# Altium PCB MdBBCar_Face.PcbDoc
Units mil, origin at the board's own origin, x right, y up, seen from the top; angles counter-clockwise.
Board outline 2202.88 x 1898.45 mil, 4 copper layers (Top Layer, GND, SIG, Bottom Layer), stack 23.756 mil thick; 72 components, 66 nets, 300 pads, 287 vias.
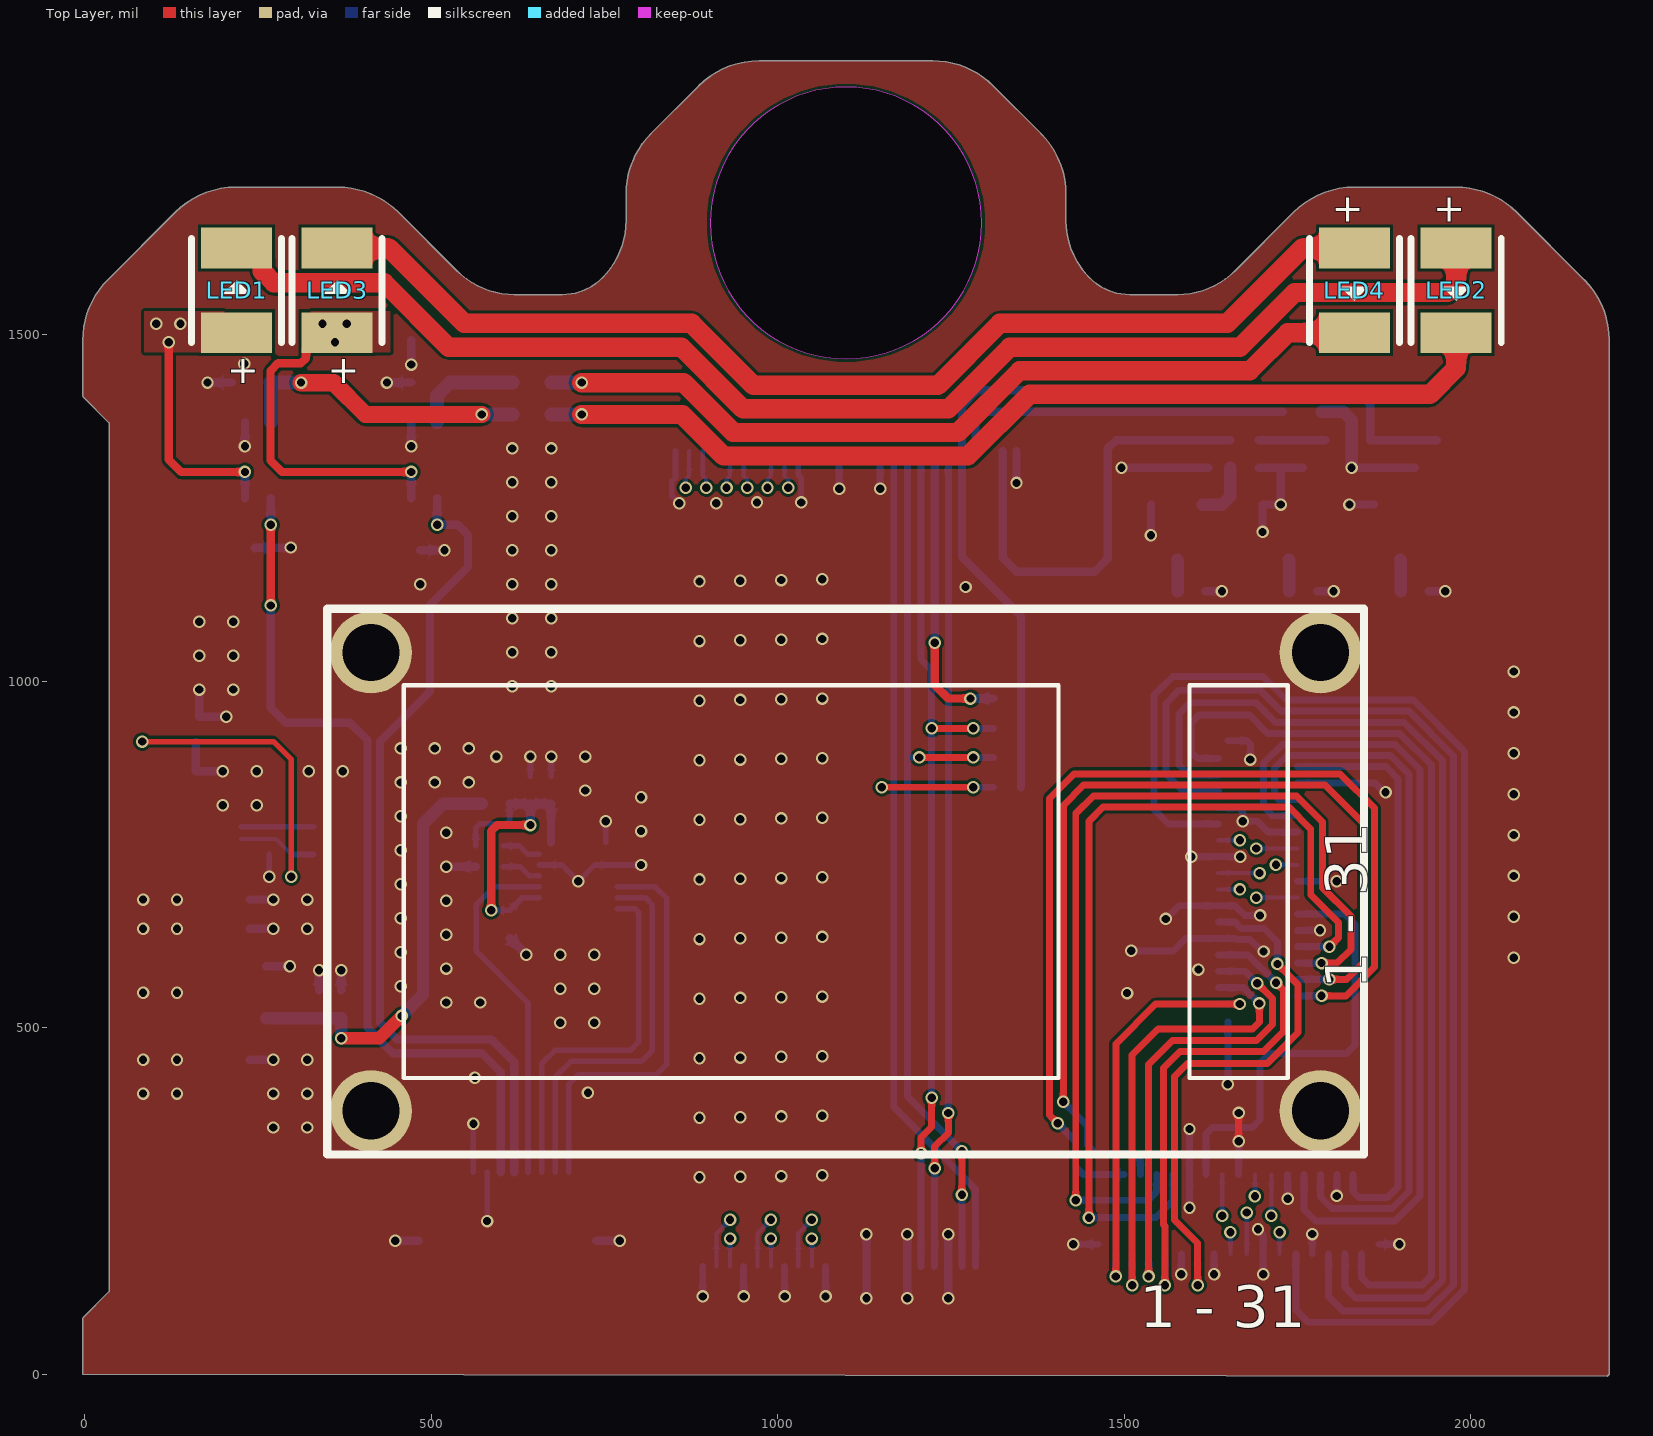
[diagram p0: Top Layer view]
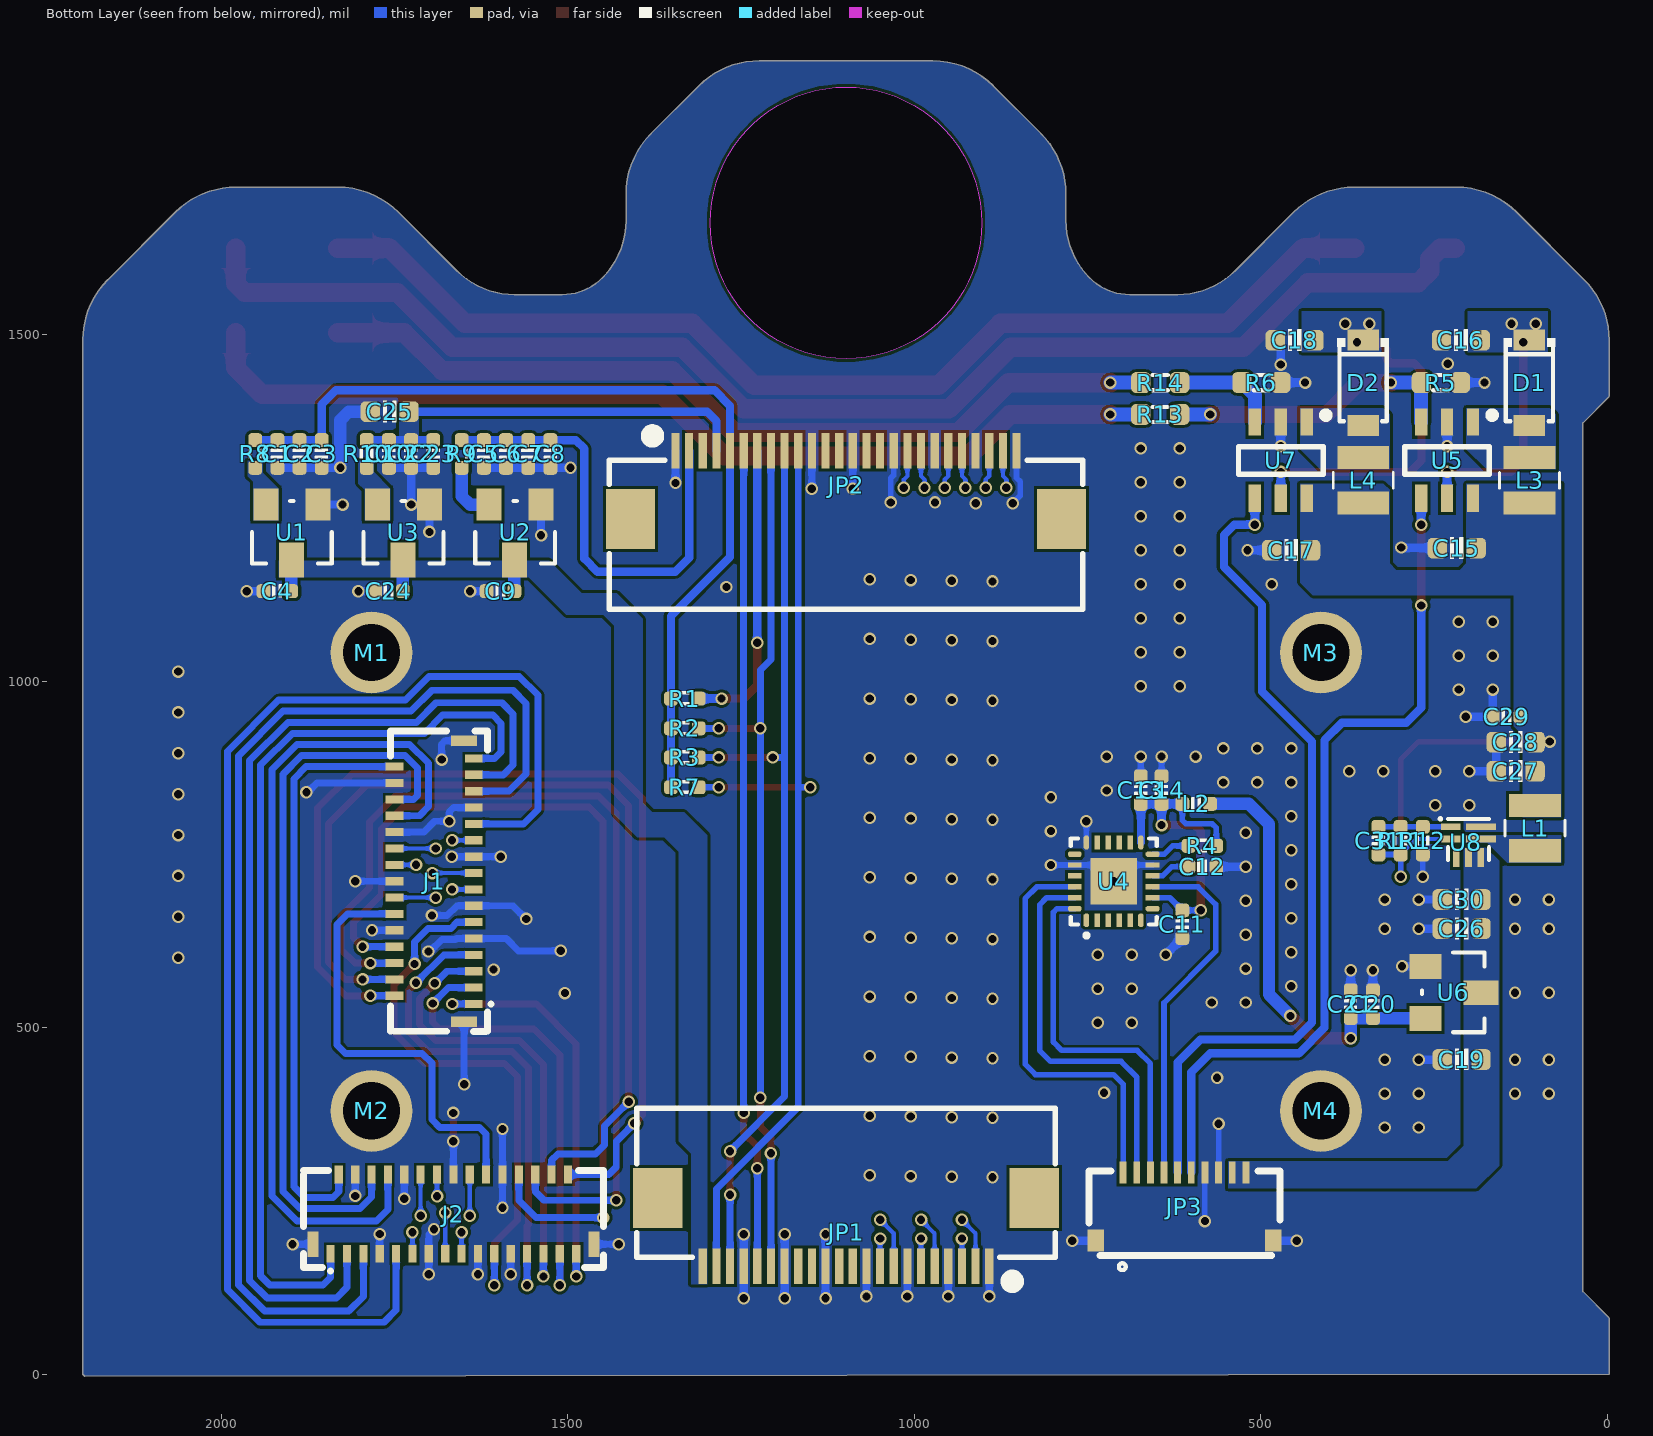
[diagram p1: Bottom Layer view, seen from below]
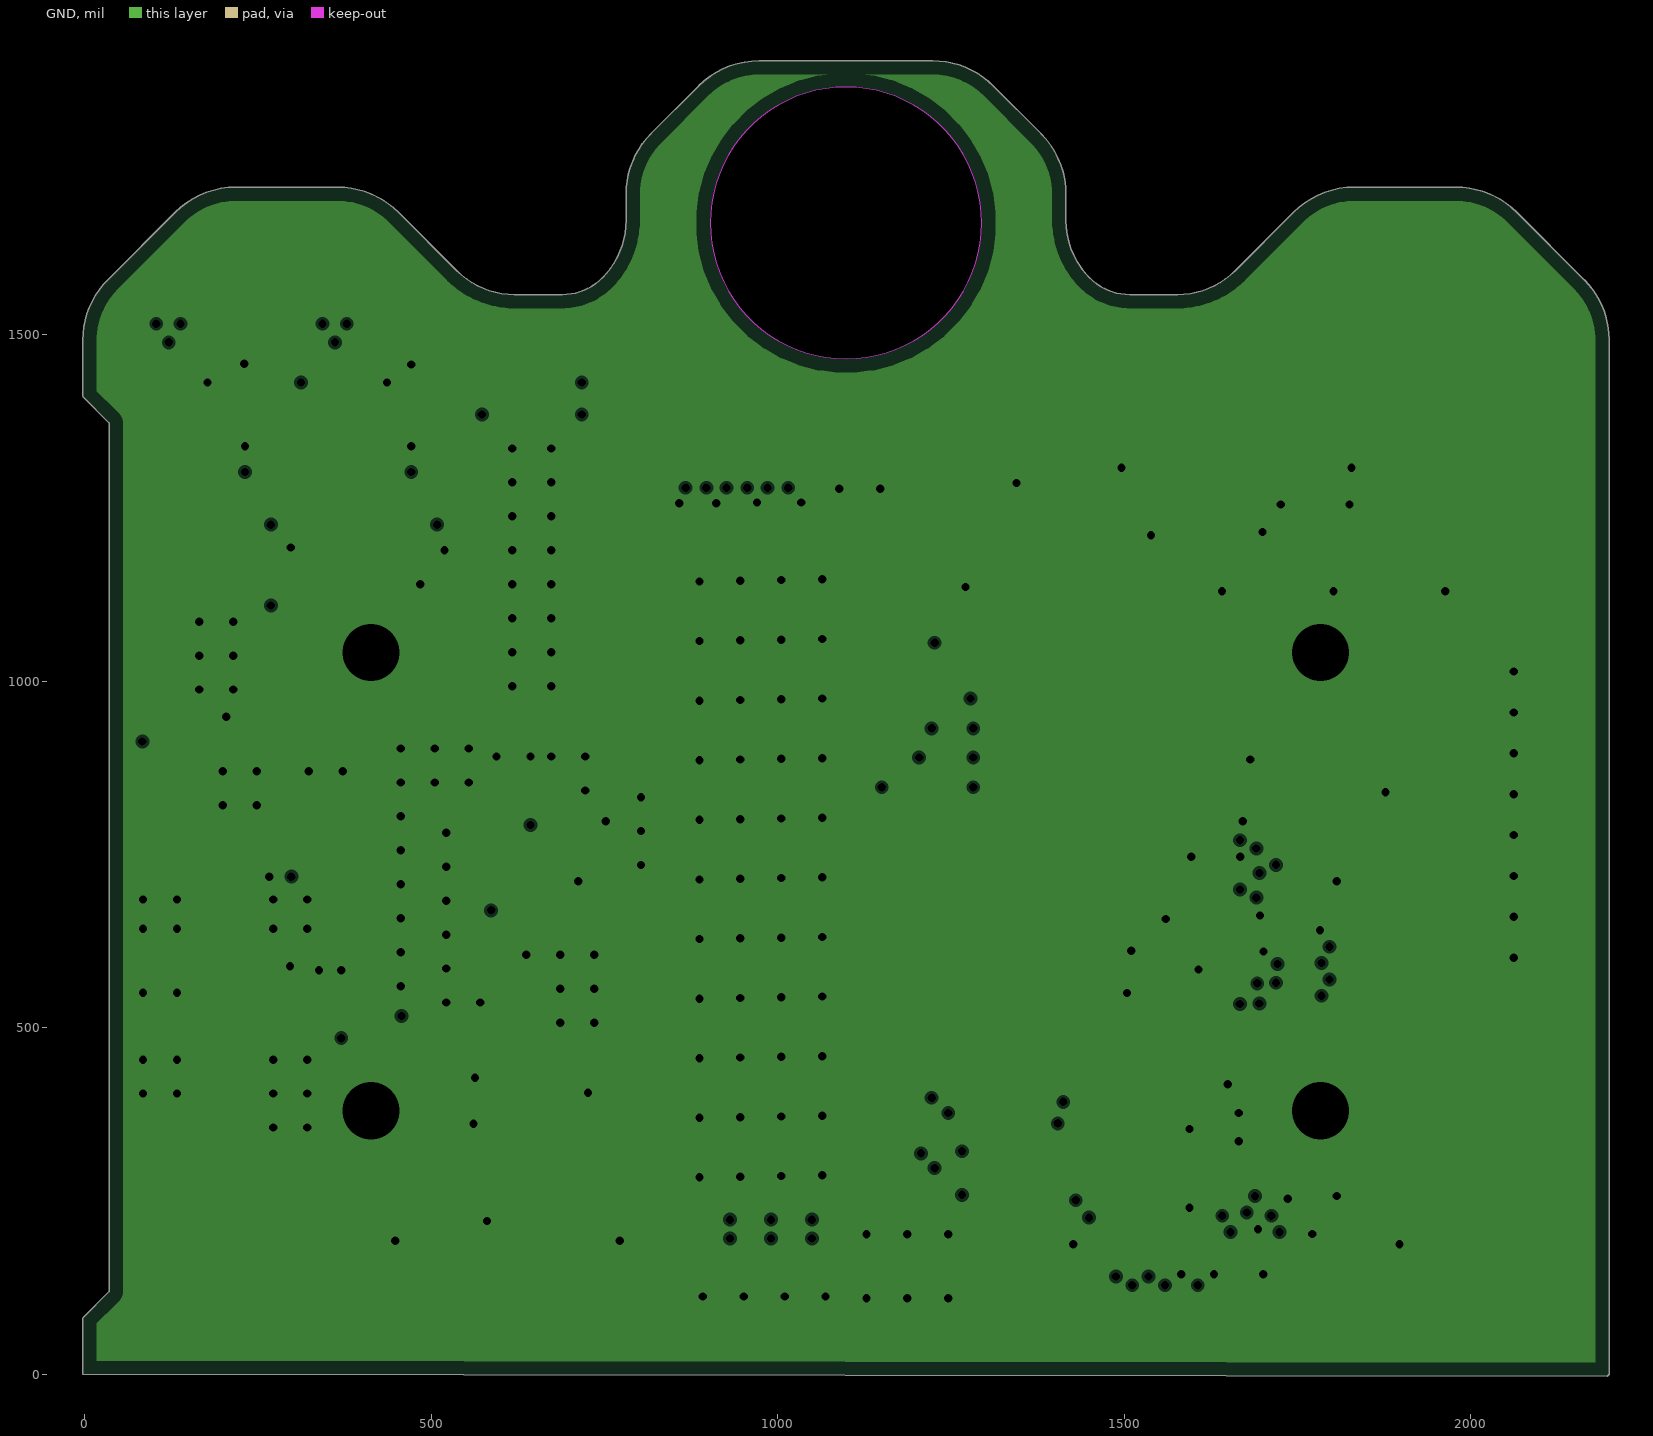
[diagram p2: GND, clearances drawn from the general rule]
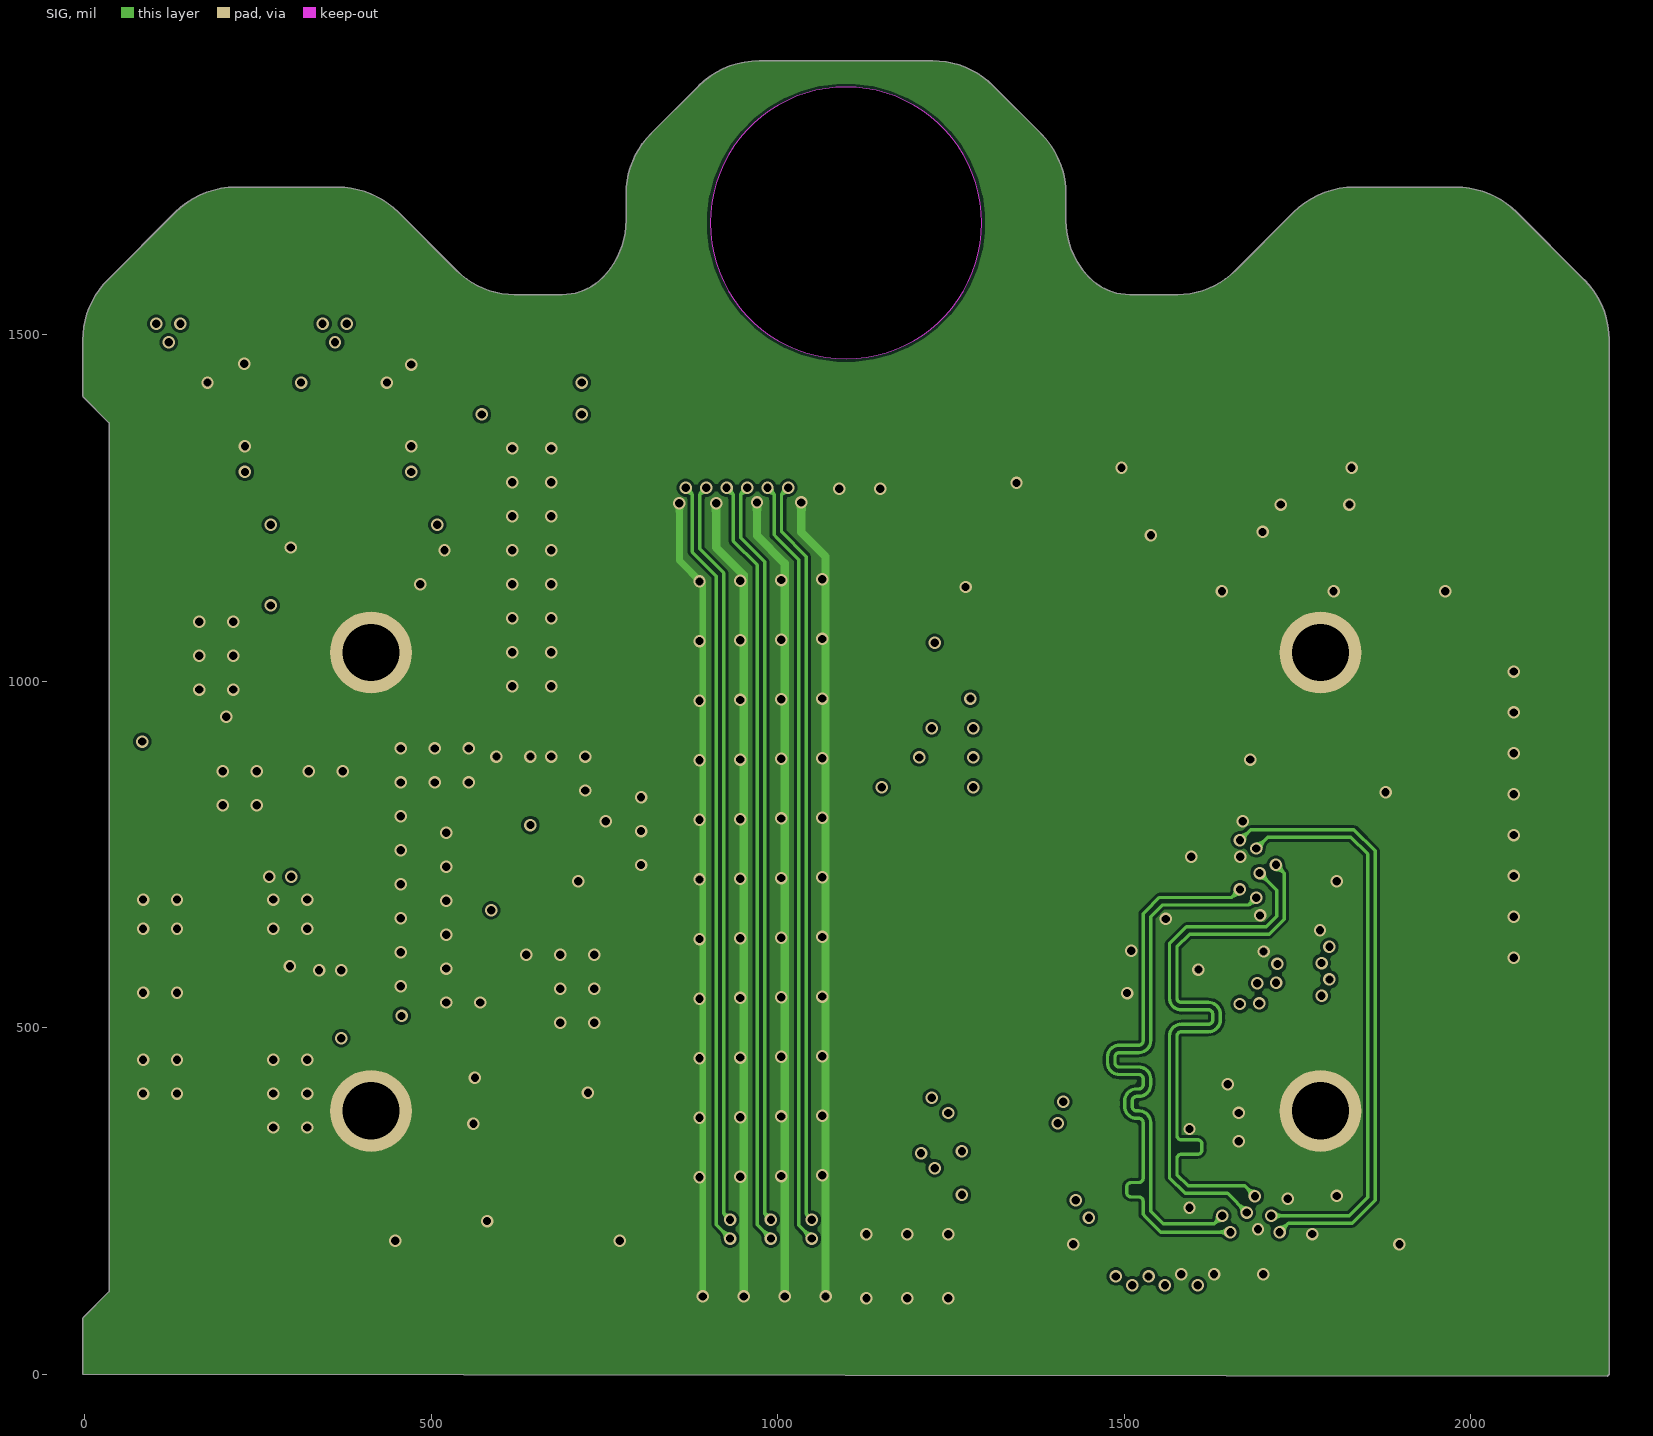
[diagram p3: SIG]
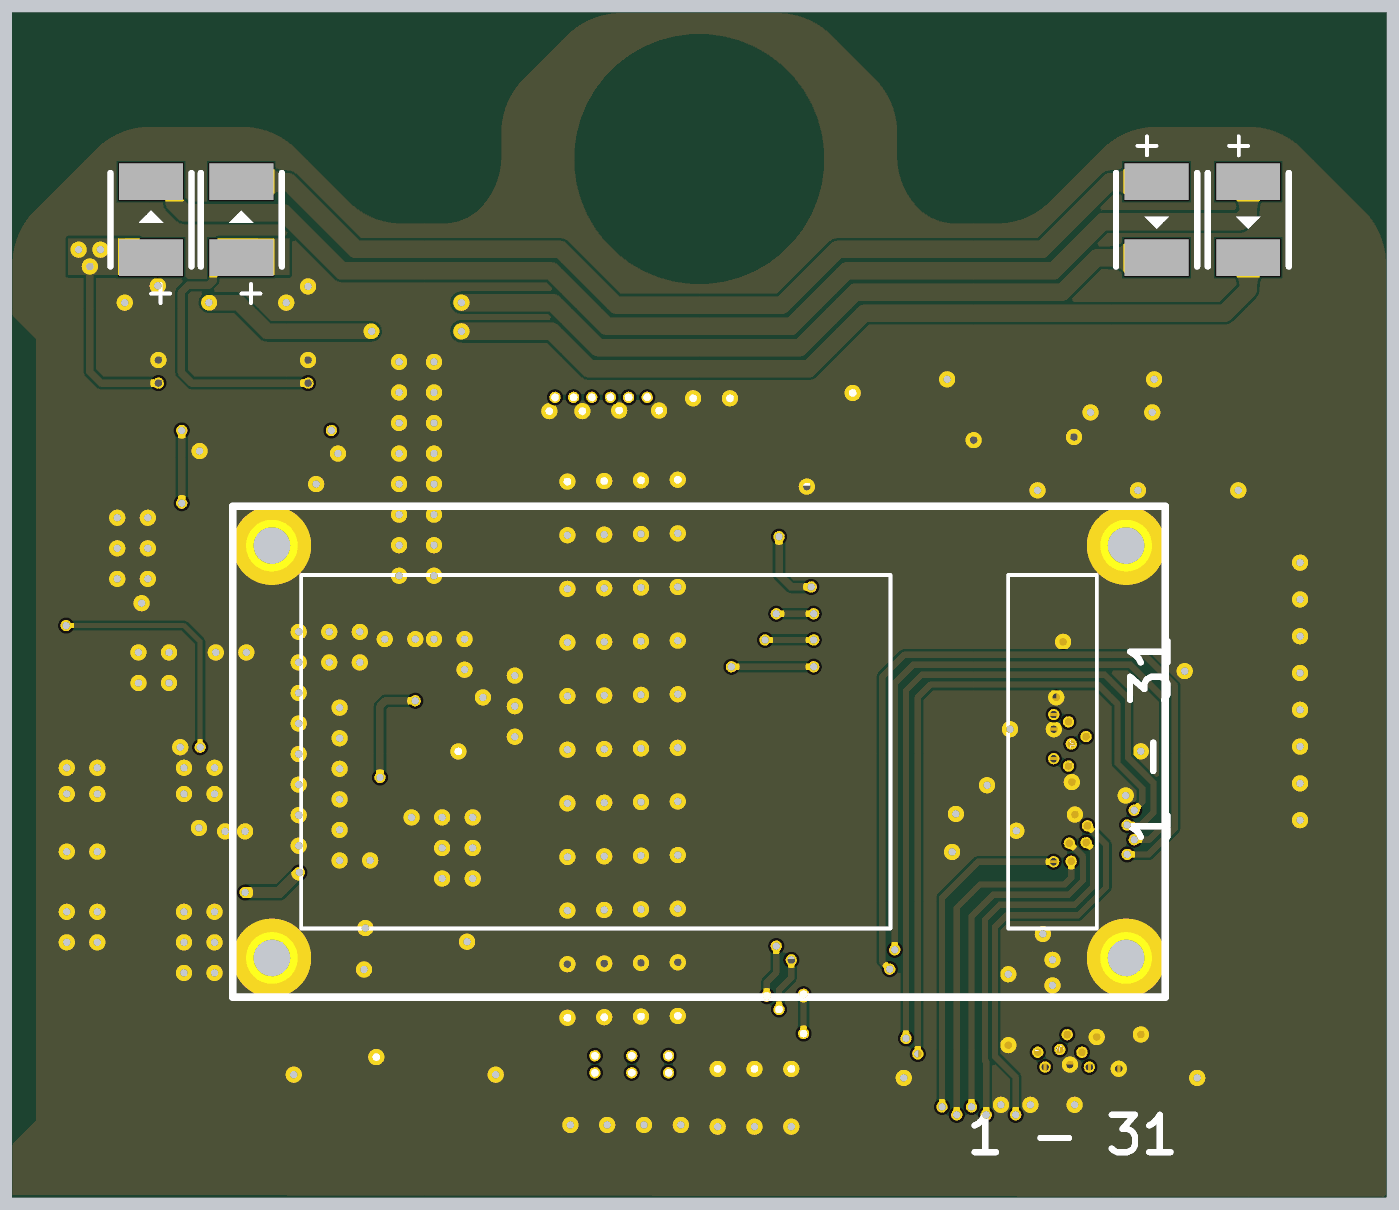
[diagram p4: 3D render of the assembled board from above, using the file's embedded part models]
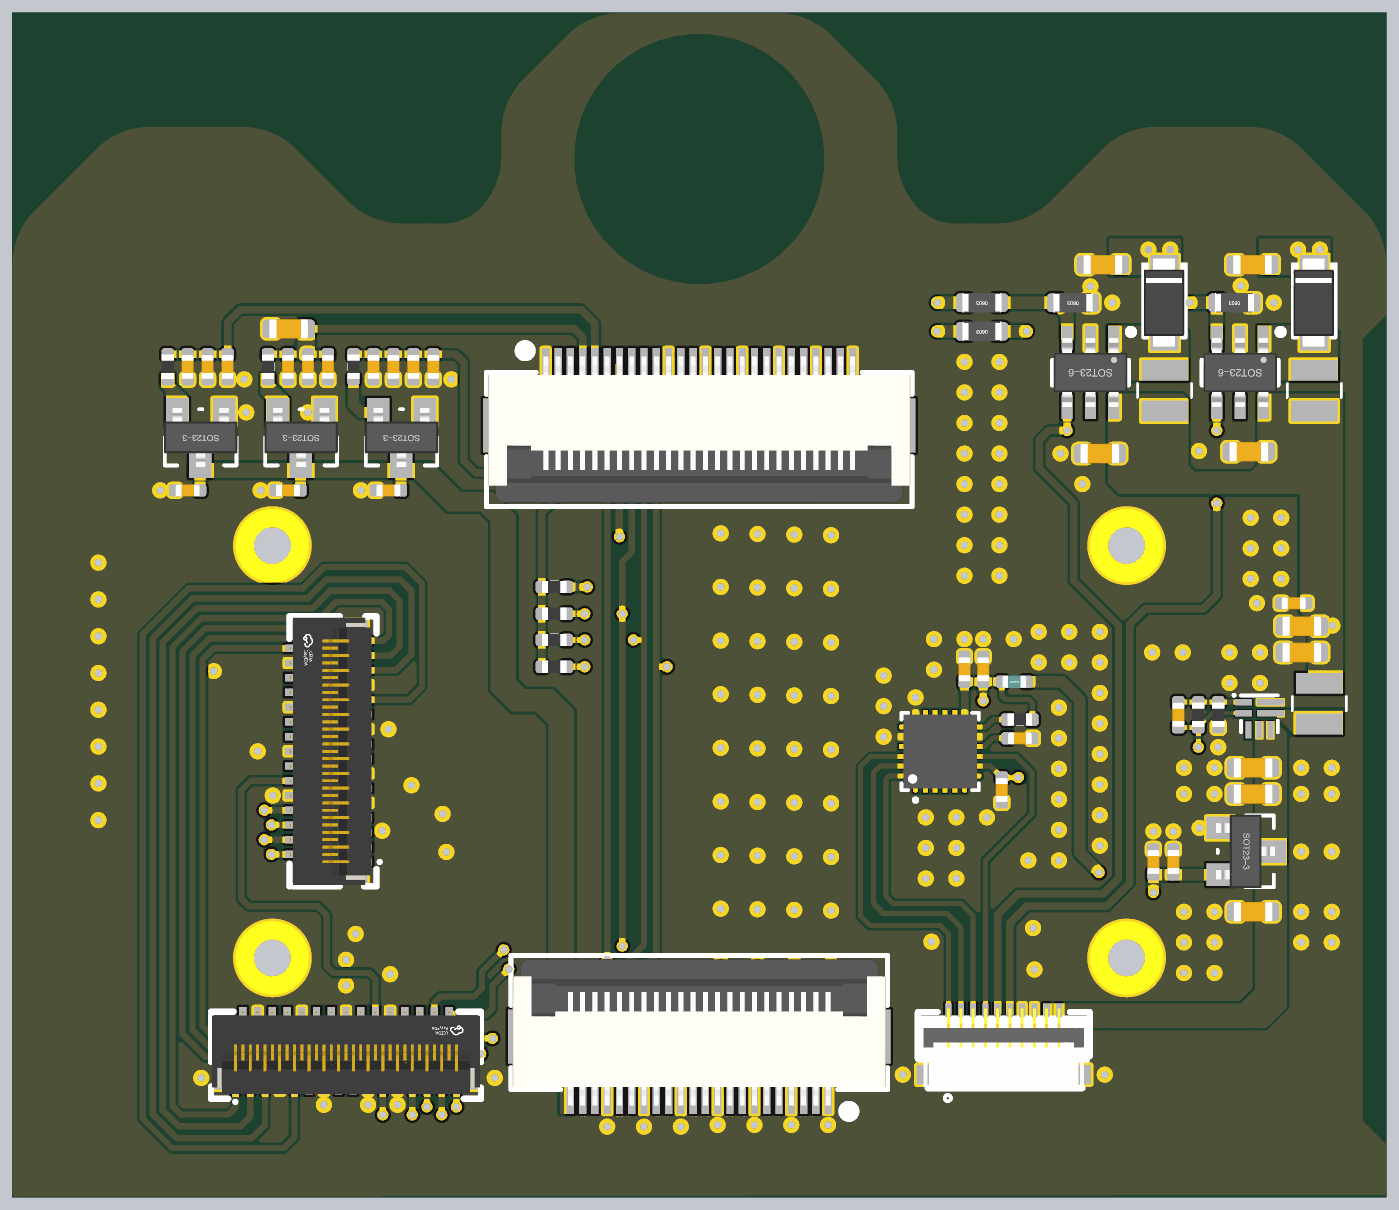
[diagram p5: 3D render of the assembled board from below, using the file's embedded part models]

## Layer stack, top to bottom
Top Solder: solder mask 0.4, Solder Resist, Dk 3.5
Top Layer: signal copper 1.4
Dielectric 2: prepreg 2.8, PP-006, Dk 4.1
GND: plane copper 1.378, net GND
Dielectric 1: dielectric 12.6, FR-4, Dk 4.8
SIG: signal copper 1.378
Dielectric 3: prepreg 2.8, PP-006, Dk 4.1
Bottom Layer: signal copper 1.4
Bottom Solder: solder mask 0.4, Solder Resist, Dk 3.5

## Board outline
-3.02,0 -3.02,80 -2.13,82.13 34.98,119.25 34.98,1372.75 -2.13,1409.87 -3.02,1412 -3.02,1492 cw(c120.71,1492) 33.22,1579.49 130.51,1676.78 cw(c218,1589.29) 218,1713.02 365,1713.02 cw(c365,1589.29) 452.49,1676.78 536.78,1592.49 ccw(c620,1675.71) 620,1558.02 689.15,1558.02 ccw(c689.15,1639.14) 746.51,1581.78 ccw(c663.29,1665) 780.98,1665 780.98,1703 cw(c904.71,1703) 817.22,1790.49 885.94,1859.2 cw(c973.42,1771.71) 973.42,1895.44 1223.42,1895.44 cw(c1223.42,1771.71) 1310.91,1859.2 1379.63,1790.49 cw(c1292.14,1703) 1415.86,1703 1415.86,1665 ccw(c1533.56,1665) 1450.34,1581.78 ccw(c1507.7,1639.14) 1507.7,1558.02 1576.85,1558.02 ccw(c1576.85,1675.71) 1660.07,1592.49 1744.36,1676.78 cw(c1831.85,1589.29) 1831.85,1713.02 1978.85,1713.02 cw(c1978.85,1589.29) 2066.34,1676.78 2163.63,1579.49 cw(c2076.14,1492) 2199.86,1492 2199.86,1422.83 2199.87,0 2196.85,-3.01
cut-out: 902.36,1661.4 ccw(c1098.43,1661.4) 1098.43,1465.34 ccw(c1098.43,1661.4) 1294.49,1661.4 ccw(c1098.43,1661.4) 1098.43,1857.46 ccw(c1098.43,1661.4)

## Design rules (kind name [scope] priority, off if disabled: settings)
Clearance Clearance_1 [OnLayer('Layer 2')] p1: gap=4 ignorepadtopadclearanceinfootprint=FALSE except(6: Arc-Arc Arc-Track Arc-Fill Arc-Poly Arc-Region Track-Track Track-Fill Track-Poly Track-Region Fill-Fill Fill-Poly Fill-Region Poly-Poly Poly-Region Region-Region)
Clearance [All] p2: gap=4 ignorepadtopadclearanceinfootprint=FALSE except(6: Arc-Arc Arc-Track Track-Track)
DiffPairsRouting DiffPairsRouting_1 [InDifferentialPair('MIPI_TX0') Or InDifferentialPair('MIPI_TX1') Or InDifferentialPair('MIPI_TX2') Or InDifferentialPair('CSI_CLK') Or  InDifferentialPair('CSI_D0') Or InDifferentialPair('CSI_D1')] p1: maxlimit=10 minlimit=4 mostfreqgap=6 toplayer_minwidth=4 toplayer_maxwidth=15 toplayer_prefwidth=4.79 midlayer2_minwidth=4.79 midlayer2_maxwidth=15 midlayer2_prefwidth=4.79 bottomlayer_minwidth=4 bottomlayer_maxwidth=15 bottomlayer_prefwidth=4.79 maxuncoupledlength=500
DiffPairsRouting [All] p2: maxlimit=10 minlimit=10 mostfreqgap=10 toplayer_minwidth=15 toplayer_maxwidth=15 toplayer_prefwidth=15 midlayer2_minwidth=15 midlayer2_maxwidth=15 midlayer2_prefwidth=15 bottomlayer_minwidth=15 bottomlayer_maxwidth=15 bottomlayer_prefwidth=15 maxuncoupledlength=500
MatchedLengths MatchedLengths_2 [InNetClass('MIPI_TX2')] p1: tolerance=10 checknetsindiffpair=TRUE checkdiffpairvsdiffpair=FALSE checkxsignals=FALSE checkothers=FALSE
MatchedLengths MatchedLengths_1 [InNetClass('MIPI_TX1')] p2: tolerance=10 checknetsindiffpair=TRUE checkdiffpairvsdiffpair=FALSE checkxsignals=FALSE checkothers=FALSE
MatchedLengths [InNetClass('MIPI_TX0')] p3: tolerance=10 checknetsindiffpair=TRUE checkdiffpairvsdiffpair=FALSE checkxsignals=FALSE checkothers=FALSE
PlaneClearance [All] p1: clearance=4
PlaneConnect [All] p1: planeconnectstyle=Direct reliefexpansion=20 reliefentries=4 reliefconductorwidth=10 reliefairgap=10
PolygonConnect [All] p1: connectstyle=Direct reliefconductorwidth=10 reliefentries=4 polygonreliefangle="90 Angle" airgapwidth=10
RoutingVias [All] p1: holewidth=12 width=50 viastyle="Through Hole" minholewidth=12 minwidth=18 maxholewidth=28 maxwidth=18
SolderMaskExpansion [All] p1: expansion=4 istentingtop=FALSE
Width [All] p1: maxlimit=60 minlimit=3.5 preferedwidth=10
27 further rules are at their usual default settings.

## Classes and differential pairs
net class CSI_: CSI_CLK_N CSI_CLK_P CSI_D0_N CSI_D0_P CSI_D1_N CSI_D1_P
net class MIPI_TX2: MIPI_TX2_N MIPI_TX2_P
net class MIPI_TX1: MIPI_TX1_N MIPI_TX1_P
net class MIPI_TX0: MIPI_TX0_N MIPI_TX0_P
differential pair CSI_D1: +CSI_D1_P -CSI_D1_N
differential pair CSI_D0: +CSI_D0_P -CSI_D0_N
differential pair CSI_CLK: +CSI_CLK_P -CSI_CLK_N
differential pair MIPI_TX2: +MIPI_TX2_P -MIPI_TX2_N
differential pair MIPI_TX1: +MIPI_TX1_P -MIPI_TX1_N
differential pair MIPI_TX0: +MIPI_TX0_P -MIPI_TX0_N
